# Allegro board STARRYSKY.brd (continued)
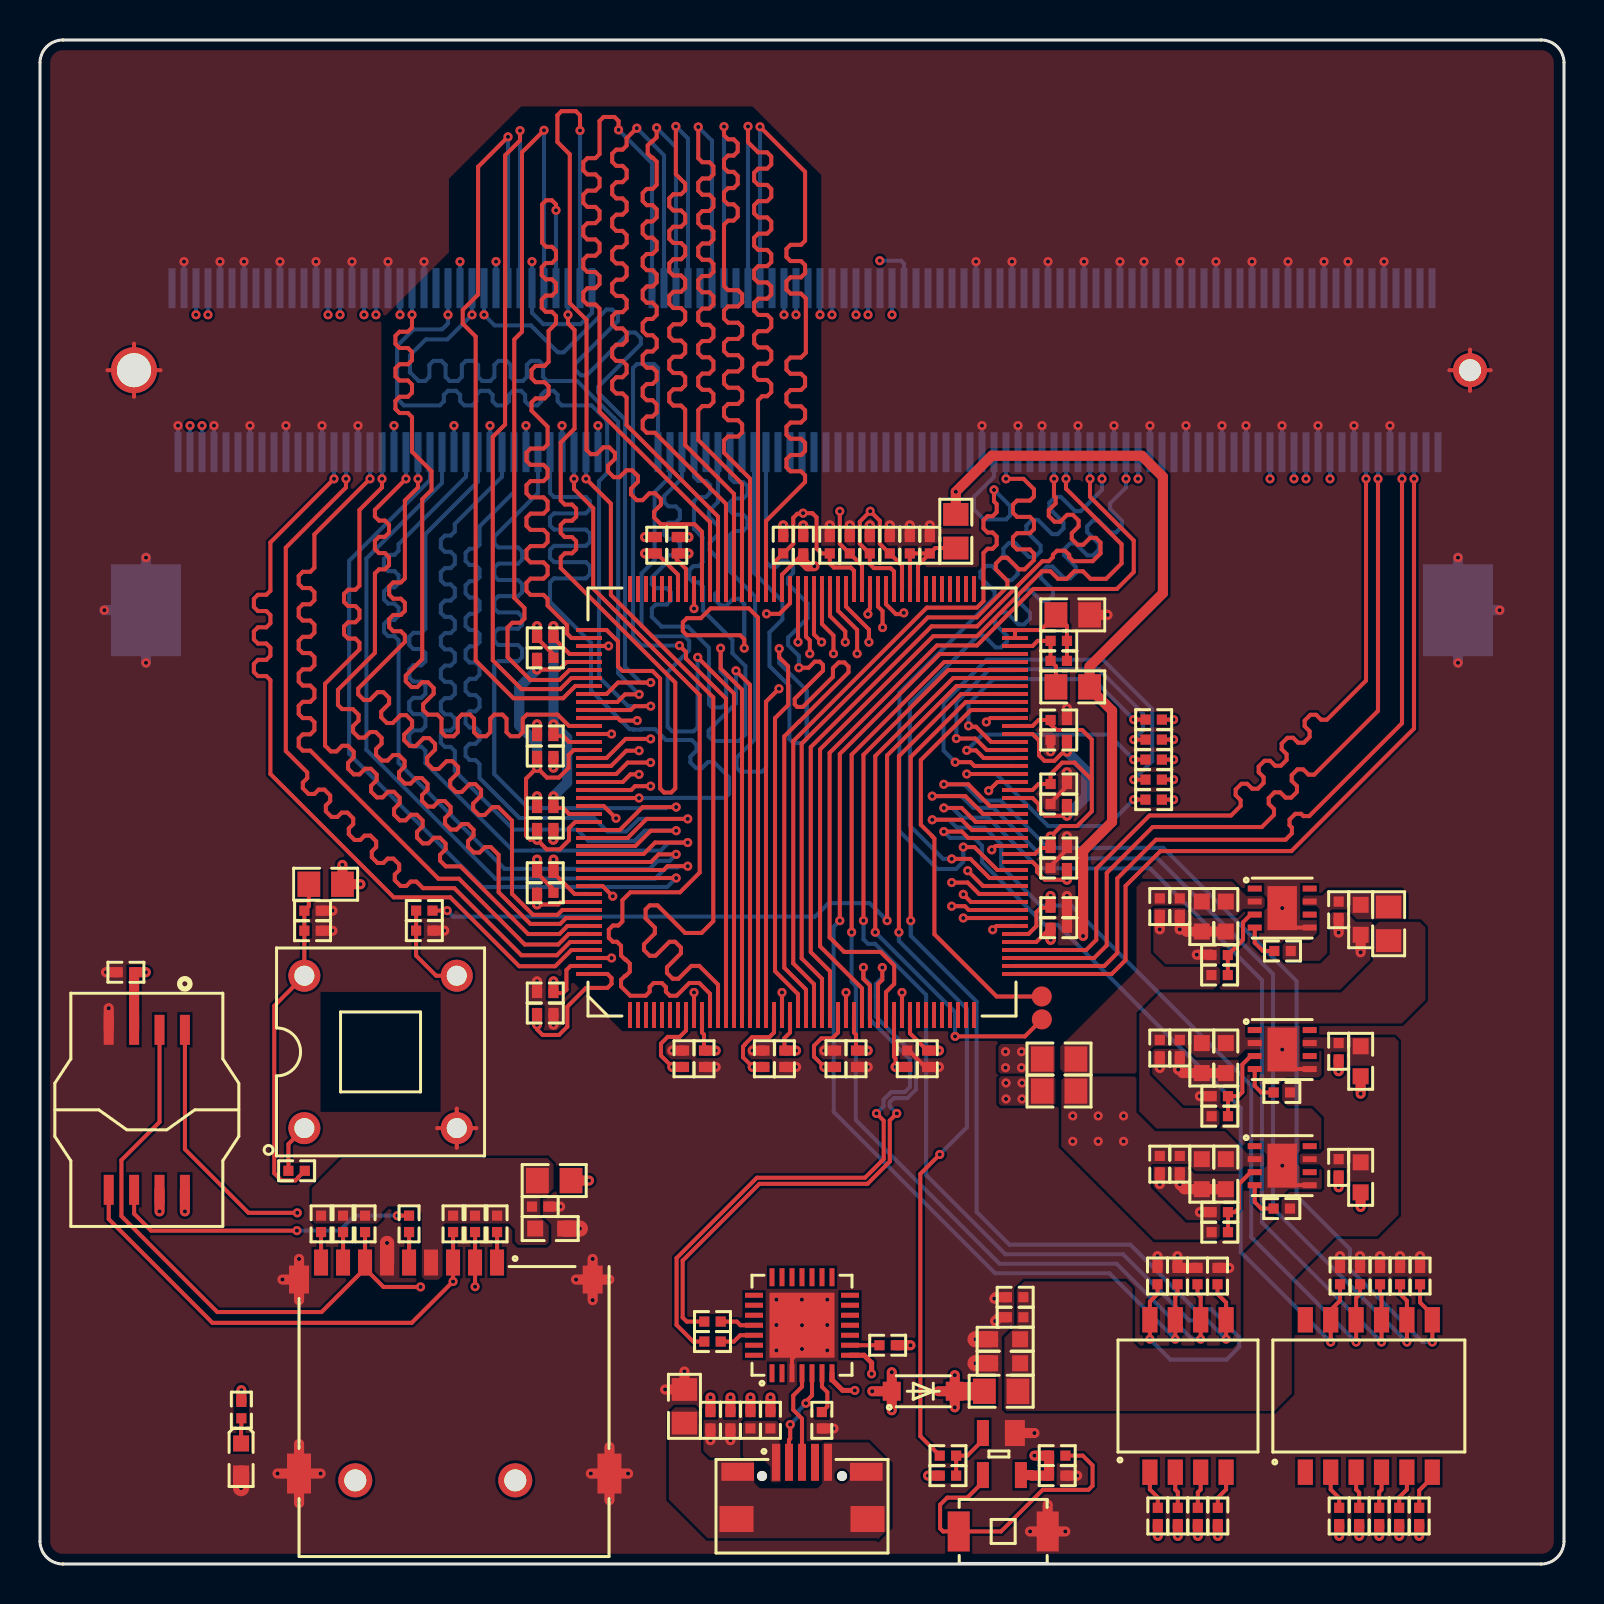
[diagram p0: board, top side]
## Nets (continued)
CHIPLINK_RX_DATA25: J1.65 U3.134(CHIPLINK_RX_DATA25)
CHIPLINK_RX_DATA26: J1.63 U3.138(CHIPLINK_RX_DATA26)
CHIPLINK_RX_DATA27: J1.59 U3.139(CHIPLINK_RX_DATA27)
CHIPLINK_RX_DATA28: J1.57 U3.140(CHIPLINK_RX_DATA28)
CHIPLINK_RX_DATA29: J1.53 U3.141(CHIPLINK_RX_DATA29)
CHIPLINK_RX_DATA30: J1.51 U3.142(CHIPLINK_RX_DATA30)
CHIPLINK_RX_DATA31: J1.47 U3.143(CHIPLINK_RX_DATA31)
CHIPLINK_RX_RST: J1.152 U3.57(CHIPLINK_RX_RST)
CHIPLINK_RX_SEND: J1.154 U3.56(CHIPLINK_RX_SEND)
CHIPLINK_TX_CLK: J1.115 U3.144(CHIPLINK_TX_CLK)
CHIPLINK_TX_DATA00: J1.35 U3.150(CHIPLINK_TX_DATA00)
CHIPLINK_TX_DATA01: J1.33 U3.151(CHIPLINK_TX_DATA01)
CHIPLINK_TX_DATA02: J1.29 U3.152(CHIPLINK_TX_DATA02)
CHIPLINK_TX_DATA03: J1.27 U3.153(CHIPLINK_TX_DATA03)
CHIPLINK_TX_DATA04: J1.64 U3.154(CHIPLINK_TX_DATA04)
CHIPLINK_TX_DATA05: J1.62 U3.158(CHIPLINK_TX_DATA05)
CHIPLINK_TX_DATA06: J1.58 U3.159(CHIPLINK_TX_DATA06)
CHIPLINK_TX_DATA07: J1.56 U3.160(CHIPLINK_TX_DATA07)
CHIPLINK_TX_DATA08: J1.52 U3.161(CHIPLINK_TX_DATA08)
CHIPLINK_TX_DATA09: J1.50 U3.162(CHIPLINK_TX_DATA09)
CHIPLINK_TX_DATA10: J1.46 U3.163(CHIPLINK_TX_DATA10)
CHIPLINK_TX_DATA11: J1.44 U3.164(CHIPLINK_TX_DATA11)
CHIPLINK_TX_DATA12: J1.42 U3.168(CHIPLINK_TX_DATA12)
CHIPLINK_TX_DATA13: J1.40 U3.169(CHIPLINK_TX_DATA13)
CHIPLINK_TX_DATA14: J1.36 U3.170(CHIPLINK_TX_DATA14)
CHIPLINK_TX_DATA15: J1.34 U3.171(CHIPLINK_TX_DATA15)
CHIPLINK_TX_DATA16: J1.30 U3.172(CHIPLINK_TX_DATA16)
CHIPLINK_TX_DATA17: J1.28 U3.173(CHIPLINK_TX_DATA17)
CHIPLINK_TX_DATA18: J1.68 U3.11(CHIPLINK_TX_DATA18)
CHIPLINK_TX_DATA19: J1.70 U3.12(CHIPLINK_TX_DATA19)
CHIPLINK_TX_DATA20: J1.74 U3.13(CHIPLINK_TX_DATA20)
CHIPLINK_TX_DATA21: J1.76 U3.14(CHIPLINK_TX_DATA21)
CHIPLINK_TX_DATA22: J1.78 U3.15(CHIPLINK_TX_DATA22)
CHIPLINK_TX_DATA23: J1.80 U3.16(CHIPLINK_TX_DATA23)
CHIPLINK_TX_DATA24: J1.84 U3.17(CHIPLINK_TX_DATA24)
CHIPLINK_TX_DATA25: J1.86 U3.18(CHIPLINK_TX_DATA25)
CHIPLINK_TX_DATA26: J1.90 U3.22(CHIPLINK_TX_DATA26)
CHIPLINK_TX_DATA27: J1.92 U3.23(CHIPLINK_TX_DATA27)
CHIPLINK_TX_DATA28: J1.130 U3.24(CHIPLINK_TX_DATA28)
CHIPLINK_TX_DATA29: J1.132 U3.25(CHIPLINK_TX_DATA29)
CHIPLINK_TX_DATA30: J1.140 U3.26(CHIPLINK_TX_DATA30)
CHIPLINK_TX_DATA31: J1.142 U3.30(CHIPLINK_TX_DATA31)
CHIPLINK_TX_RST: J1.41 U3.145(CHIPLINK_TX_RST)
CHIPLINK_TX_SEND: J1.39 U3.149(CHIPLINK_TX_SEND)
CLK_SEL: R30.1 SW2.8(B1) U3.79(CLK_SEL)
CORE_DIP0: R49.1 SW3.7(B6) U3.66(CORE_DIP0)
CORE_DIP1: R47.1 SW3.8(B5) U3.65(CORE_DIP1)
CORE_DIP2: R44.1 SW3.9(B4) U3.64(CORE_DIP2)
CORE_DIP3: R42.1 SW3.10(B3) U3.63(CORE_DIP3)
CORE_DIP4: R40.1 SW3.11(B2) U3.62(CORE_DIP4)
OSC_IN: R3.2 U3.81(CLK/XIN)
PLL_AVDD33: C61.1 C62.1 L5.1 U3.96(PLL_AVDD33#96) U3.97(PLL_AVDD33#97)
PLL_CFG0: R28.1 SW2.5(B4) U3.83(PLL_CFG_0)
PLL_CFG1: R32.1 SW2.6(B3) U3.84(PLL_CFG_1)
PLL_CFG2: R24.1 SW2.7(B2) U3.85(PLL_CFG_2)
PLLIO_AVDD33: C63.1 C64.1 L7.1 U3.86(PLL_IO_AVDD33)
SPI_CLK: R18.2 R34.1 U7.6(CLK)
SPI_CS0: R17.2 U7.1(CS#)
SPI_CS1: J4.2(CD/DAT3) R16.2 R27.2
SPI_MISO: J4.7(DAT0) R14.2 R37.2 U7.2(DO)
SPI_MOSI: J4.3(CMD) R15.2 R29.2 U7.5(DIO)
SYS_RST: R19.1 U3.80(RST)
UART_RX: R36.2 U3.31(UART_RX)
UART_TX: R35.2 U3.32(UART_TX)
USB_D+: J3.3(D+) U6.4(D+)
USB_D-: J3.2(D-) U6.5(D-)
N00208: R4.2 U1.4(EN)
N00440: R1.2 R5.1 U1.3(ADJ)
N02977: R7.2 U2.4(EN)
N03085: R8.2 R9.1 U2.3(ADJ)
N03792: C17.1 C21.1 L4.2 R11.1 U4.7(VIN)
N03804: R11.2 U4.4(EN)
N03912: R10.2 R12.1 U4.3(ADJ)
N09341: R13.2 R19.2 U5.2(R\E\S\E\T\)
N12849: R20.2 SW1.1(P1) U5.3(M\R\)
N14111: LED1.1 R2.1
N20091: R14.1 U3.70(SPI_MISO)
N20140: R15.1 U3.71(SPI_MOSI)
N20190: R16.1 U3.72(SPI_CS_1)
N20241: R17.1 U3.73(SPI_CS_0)
N20293: R18.1 U3.74(SPI_CLK)
N20346: TP1.1 U3.78(CLK4DIV_OUT)
N20568: TP2.1 U3.82(CLK/XOUT)
N47247: C8.1 C9.1 J2.8(VDD) L1.1 R6.2
N86942: J4.1(DAT2) R25.2
N86952: C68.1 C70.1 J4.4(VDD) L8.1 R25.1 R27.1 R29.1 R37.1 R41.1 R45.1
N87161: J4.8(DAT1) R41.2
N87165: J4.9(CD) R45.2
N88472: J4.5(CLK) R34.2
N101095: J3.5(GND) J3.6(LP1) J3.7(LP2) J3.8(LP3) J3.9(LP4) L9.2
N105628: R35.1 U6.25(RXD)
N109895: R46.2 SW3.5(A5)
N109899: R48.2 SW3.6(A6)
N122427: R36.1 U6.26(TXD)
N129276: C69.1 U6.6(VDD)
N130573: R50.2 U6.9(R\S\T\)
N266605: C7.1 J2.5(OUT) R3.1
N270643: J2.1(ED) R6.1
N341766: J3.1(VCC) R21.1 R22.1
N1063390: R23.2 SW2.1(A1)
N1063391: R31.2 SW2.2(A2)
N1063394: R26.2 SW2.3(A3)
N1063395: R33.2 SW2.4(A4)
N1064041: R38.2 SW3.2(A2)
N1064044: R39.2 SW3.3(A3)
N1064045: R43.2 SW3.4(A4)

Pads without a net: J1 1 10 11 12 15 16 17 18 21 22 23 24 45 81 82 87 88 93 94 96 98 99 100 102 104 105 106 108 110 111 112 114 116 117 118 119 120 121 122 123 124 125 126 129 131 135 136 137 141 143 147 149 153 157 158 159 160 163 164 165 166 169 170 171 174 175 177 181 183 187 188 191 193 197 199 201 202 203 204; J3 4 10 11; J4 14 15; SW3 1 12; U1 1 6 8; U2 1 6 8; U3 1 2 3 4 5 6 7 37 38 39 40 41 42 43 44 89 90 91 92 93 94 95 127 128 129 130 131 132; U4 1 6 8; U6 1 2 10 11 12 13 14 15 16 17 18 19 20 21 22 23 24 27 28

## Via types
v1: diameter 0.457, hole 0.203, TOP to BOTTOM, 403 vias

## Routing (per net, layer and track width the routed paths; a pad name or vN(x,y) marks a point on that pad's centre or on a via; arc(x,y) is an arc through that point)
5V_VBUS1: length 10
  TOP w0.254: v1(41.58,9.51) 41.58,10.06 41.2,10.44 U6.8 ; U6.7 39.6,9.21 40.13,8.68 v1(40.74,8.68)
  TOP w0.508: D1.1 v1(41.61,8.64) ; D1.1 v1(42.59,9.59) ; D1.1 v1(42.59,7.69) ; R50.1 v1(43.53,10.94) ; C66.1 v1(34.52,8.33) ; R21.2 v1(36.52,8.33) ; R22.2 v1(35.52,8.33) ; C65.1 v1(33.52,8.33)
5V_VBUS2: length 9.2
  TOP w0.508: D1.2 v1(45.74,7.83) ; D1.2 v1(45.74,9.44) ; D1.2 v1(44.93,8.64)
  TOP w0.914: F1.1 D1.2
  BOTTOM w0.203: J1.5 v1(7.8,62.46) ; J1.7 v1(8.4,62.46) ; J1.6 v1(8.1,56.92) ; J1.4 v1(7.5,56.92)
GND: length 234.8
  TOP w0.203: v1(47.63,31.71) 47.82,31.9 U3.51 ; v1(43.19,47.56) 43.13,47.5 42.79,47.5 42.3,47.99 U3.100 ; U3.35 v1(43.1,28.58) ; v1(28.8,37.29) 28.19,37.9 U3.155 ; J2.4 20.84,22.77 ; J2.4 21.82,21.79 ; J2.4 20.84,20.82 ; J2.4 19.86,21.79 ; v1(62.11,19.92) 62.11,19.34 62.51,18.94 U1.5 ; v1(38.1,10.75) 37.6,10.25 U6.3 ; U4.5 62.57,31.82 62.11,32.28 v1(62.11,32.8) ; v1(47.59,35.71) 47.78,35.9 U3.61 ; 3.37,59.69 J1.MP3 ; J1.MP3 4.7,61.02 ; J1.MP3 6.03,59.69 ; J1.MP3 4.7,58.36 ; U3.69 47.87,39.1 v1(47.43,38.66) ; U3.101 41.9,47.87 42.13,47.64 v1(42.13,46.82) ; C49.2 51.35,38.89 50.53,38.07 C36.2 ; U3.28 v1(40.3,28.58) ; U3.135 v1(28.43,45.9) ; U2.5 62.62,24.75 62.11,25.25 v1(62.11,25.72) ; C48.2 51.35,35.73 50.53,34.91 C37.2 ; C38.2 24.87,34.55 24.87,34.54 25.59,33.81 25.59,33.65 C28.2 ; C42.2 24.85,46.29 25.67,45.47 C27.2 ; C29.2 43.44,25.67 44.26,24.85 C46.2 ; 71.5,58.66 J1.MP4 ; J1.MP4 70.47,59.69 ; J1.MP4 71.5,60.72 ; J1.MP4 72.53,59.69 ; v1(41.4,47.49) 41.4,47.67 41.5,47.77 U3.102 ; v1(47.31,42.1) 47.52,42.3 U3.77 ; v1(28.64,33.39) 28.13,33.9 U3.165 ; v1(36.33,47.51) 36.97,47.51 37.5,48.04 U3.112 ; v1(32.7,47.77) U3.124 ; U3.20 v1(37.1,28.58) ; U3.146 v1(28.58,41.5) ; U3.174 v1(28.58,30.3) ; U3.9 v1(32.7,28.58)
  TOP w0.381: C54.2 v1(50.53,40.61)
  TOP w0.508: R5.2 v1(57.99,17.59) ; C5.2 v1(64.93,18.84) ; C69.2 v1(39.68,6.78) ; SW1.2 v1(50.38,2.96) ; SW1.2 v1(51.26,1.63) ; SW1.2 v1(49.5,1.63) ; R44.2 v1(67,15.39) ; U5.1 v1(49.72,6.55) ; C24.2 47.96,12.34 47.77,12.15 v1(47.76,12.15) ; C2.2 v1(55.99,19) ; v1(56.88,15.39) R24.2 R32.2 ; U7.4 v1(3.44,27.79) ; v1(32.22,9.63) L9.1 v1(31.26,8.73) ; R30.2 v1(55.88,15.39) ; v1(24.85,29.13) C60.2 ; v1(12.95,3.05) J4.12 ; J4.12 v1(12.95,6) ; J4.12 v1(11.88,4.52) ; J4.12 v1(14.03,4.52) ; J4.11 v1(27.63,13.19) ; J4.11 v1(26.8,14.22) ; J4.11 v1(28.46,14.22) ; J4.11 v1(27.63,15.25) ; C23.2 47.79,13.34 v1(47.72,13.27) ; C56.2 v1(40.49,51.93) ; C34.2 v1(31.61,25.67) ; v1(37.16,51.93) C53.2 ; C66.2 v1(34.52,6.19) ; C10.2 64.93,24.65 v1(64.93,24.64) ; R42.2 v1(66,15.39) ; J4.13 v1(28.47,3.19) ; J4.13 v1(28.47,5.85) ; J4.13 v1(29.4,4.52) ; J4.13 v1(27.54,4.52) ; C39.2 v1(24.85,38.39) ; C12.2 56.99,24.81 v1(56.91,24.73) 56.95,24.73 57.13,24.55 C13.2 C14.2 ; C38.2 v1(24.85,35.22) ; C55.2 v1(38.16,51.93) ; C11.2 v1(55.99,24.8) ; C58.2 v1(42.49,51.93) ; C31.2 v1(35.63,25.67) ; R12.2 58.55,30.47 v1(57.84,30.47) ; v1(24.85,46.89) C42.2 ; C6.2 v1(66.03,17.85) ; C16.2 v1(55.99,31.73) ; C50.2 v1(51.86,4.42) ; C20.2 C19.2 57.33,31.62 57.22,31.73 v1(56.99,31.73) C18.2 ; C61.2 v1(44.49,51.93) ; R9.2 v1(57.99,23.39) ; C65.2 v1(33.52,6.19) ; C45.2 v1(41.39,24.85) ; C41.2 v1(51.35,42.79) ; C30.2 v1(25.67,39.81) ; R40.2 v1(65,15.39) ; v1(44.95,24.85) C46.2 ; v1(33.79,24.85) C43.2 ; C33.2 v1(25.67,26.96) ; C21.2 v1(64.93,31.57) ; C15.2 v1(66.03,23.51) ; R49.2 v1(69,15.39) ; C44.2 v1(37.8,24.85) ; C49.2 v1(51.35,39.59) ; C59.2 v1(32.42,51.35) ; C48.2 v1(51.35,36.39) ; C1.2 v1(56.99,19) 56.99,18.97 57.21,18.74 C3.2 C4.2 ; v1(25.66,36.21) 25.67,36.23 C26.2 ; C35.2 C47.2 v1(51.35,33.4) ; J4.10 v1(12.12,14.22) ; J4.10 v1(12.95,15.25) ; J4.10 v1(12.95,13.19) ; C67.2 v1(3.3,29.59) ; v1(24.85,41.99) C40.2 ; R47.2 v1(68,15.39) ; C8.2 v1(14.62,31.66) ; C52.2 v1(39.49,51.93) ; C62.2 v1(43.49,51.93) ; C17.2 v1(66.03,30.58) ; C7.2 v1(20.21,31.67) ; L6.2 v1(53.38,47.46) ; R28.2 v1(59.46,14.81) ; v1(30.25,51.35) C51.2 ; C32.2 v1(39.21,25.67) ; C57.2 v1(41.49,51.93) ; C68.2 v1(26.01,17.87) ; C9.2 v1(14.62,32.66)
  TOP w0.711: J4.6 v1(17.35,16.05)
  TOP w0.813: C70.2 v1(26.99,16.77) ; C22.2 v1(46.78,10.04) ; LED1.2 v1(10.05,3.8) ; C25.2 v1(46.78,11.24)
  GND02 w0.203: 4.7,58.36 J1.MP3 ; J1.MP3 3.37,59.69 ; J1.MP3 6.03,59.69 ; J1.MP3 4.7,61.02 ; J2.4 21.82,21.79 ; J2.4 20.84,22.77 ; J2.4 19.86,21.79 ; J2.4 20.84,20.82 ; 70.47,59.69 J1.MP4 ; J1.MP4 71.5,60.72 ; J1.MP4 72.53,59.69 ; J1.MP4 71.5,58.66
  BOTTOM w0.203: J1.25 v1(13.8,65.12) ; J1.43 v1(19.2,65.12) ; v1(24.6,65.12) J1.61 24.6,62.56 25.17,61.99 27.03,61.99 27.6,62.56 J1.71 ; J1.19 v1(12,65.12) ; J1.185 v1(64.2,65.12) ; J1.37 v1(17.4,65.12) ; J1.144 v1(51.9,56.92) ; J1.127 v1(46.8,65.12) ; 19.86,21.79 J2.4 ; J2.4 21.82,21.79 ; J2.4 20.84,22.77 ; J1.145 v1(52.2,65.12) ; J1.156 v1(55.5,56.92) ; J1.72 v1(27.9,56.92) ; J1.178 v1(62.1,56.92) ; 71.5,58.66 J1.MP4 ; J1.MP4 72.53,59.69 ; J1.MP4 71.5,60.72 ; J1.MP4 70.47,59.69 ; J1.190 v1(65.7,56.92) ; v1(20.7,56.92) J1.48 ; v1(22.5,56.92) J1.54 ; J1.14 v1(10.5,56.92) ; J1.31 v1(15.6,65.12) ; J1.151 v1(54,65.12) ; J1.13 v1(10.2,65.12) ; J1.49 v1(21,65.12) ; J1.60 v1(24.3,56.92) ; J1.195 v1(67.2,65.12) ; J1.184 v1(63.9,56.92) ; J1.2 v1(6.9,56.92) ; J1.9 v1(9,65.12) ; v1(17.7,56.92) J1.38 ; J1.161 v1(57,65.12) ; J1.168 v1(59.1,56.92) ; v1(14.1,56.92) J1.26 ; J1.139 v1(50.4,65.12) ; v1(15.9,56.92) J1.32 ; J1.173 v1(60.6,65.12) ; J1.138 v1(50.1,56.92) ; J1.155 v1(55.2,65.12) ; J1.3 v1(7.2,65.12) ; J1.55 v1(22.8,65.12) ; J1.162 v1(57.3,56.92) ; J1.172 v1(60.3,56.92) ; J1.150 v1(53.7,56.92) ; J1.167 v1(58.8,65.12) ; J1.189 v1(65.4,65.12) ; J1.128 v1(47.1,56.92) ; J1.134 v1(48.9,56.92) ; J1.66 v1(26.1,56.92) ; J1.133 v1(48.6,65.12) ; J1.8 v1(8.7,56.92) ; J1.196 v1(67.5,56.92) ; v1(12.3,56.92) J1.20 ; J1.179 v1(62.4,65.12)
  BOTTOM w0.508: J1.MP1 v1(5.3,50.32) ; J1.MP1 v1(3.22,47.69) ; J1.MP1 v1(5.3,45.06) ; J1.MP2 v1(70.9,50.32) ; J1.MP2 v1(72.98,47.69) ; J1.MP2 v1(70.9,45.06)
  vias: v1(36.82,13.22) v1(36.82,11.95) v1(36.82,10.68) v1(38.09,13.22) v1(38.1,11.94) v1(39.36,13.22) v1(39.36,11.95) v1(39.36,10.68)
GND_SIGNAL: length 5.3
  TOP w0.203: C64.2 C63.2 51.35,46.91 L6.1 50.04,46.7 U3.88 U3.87
VCC_3V3: length 65.4
  TOP w0.508: v1(49.72,5.42) R20.1 C50.1 49.6,4.42 49.57,4.45 U5.4 ; U7.8 v1(7.25,17.63) ; R33.1 v1(58.89,1.41) ; U7.7 v1(5.98,17.63) ; U7.3 C67.1 v1(5.29,29.59) ; R23.1 v1(55.89,1.41) ; L8.2 v1(27.45,19.17) ; L5.2 v1(45.79,53.61) 47.59,55.41 55.09,55.41 56.14,54.36 56.14,48.54 52.48,44.87 L7.2 52.48,43.79 53.6,42.67 53.6,37.1 52.15,35.65 v1(52.15,31.4) ; v1(16.02,33.99) L1.2 v1(15.12,34.95) ; R13.1 v1(44.4,4.42) ; R46.1 v1(67.96,1.41) ; R38.1 v1(64.96,1.41) ; R31.1 v1(56.89,1.41) ; R26.1 v1(57.89,1.41) ; R43.1 v1(66.96,1.41) ; R2.2 v1(10.07,8.69) ; R48.1 v1(68.96,1.41) ; R39.1 v1(65.96,1.41)
  ART03 w0.508: v1(52.15,31.4) 52.15,22.92 v1(51.64,22.4)
  vias: v1(51.64,21.13) v1(52.91,22.4) v1(52.91,21.13) v1(54.18,22.4) v1(54.18,21.13)
VDD: length 74.7
  TOP w0.203: U3.147 26.46,41.1 26.16,41.4 C40.1 ; U3.21 37.5,26.57 37.22,26.29 C44.1 ; C55.1 37.1,49.47 U3.113 ; U3.98 43.1,49.92 C58.1 42.48,50.53 41.99,51.01 41.99,52.16 v1(41.51,52.64) 40.99,52.12 40.99,51.01 41.48,50.53 C57.1 41.49,50 41.69,49.8 42.53,49.8 42.7,49.63 U3.99 ; 52.59,39.27 52.59,37.64 51.85,36.9 51.06,36.9 v1(50.53,36.37) ; 52.59,39.27 52.59,41.22 52.11,41.7 50.81,41.7 50.53,41.99 C41.1 49.93,42.2 49.63,41.9 U3.76 ; 52.59,39.27 52.53,39.27 51.73,40.07 51.11,40.07 50.53,39.48 C49.1 49.93,39 49.63,38.7 U3.68 ; C45.1 40.8,26.47 40.7,26.57 U3.29 ; U3.50 49.42,31.5 49.82,31.9 49.82,32.59 50.04,32.82 C47.1 ; U3.103 41.1,49.92 C56.1 40.48,50.53 39.99,51.01 v1(39.99,52.64) ; U3.156 26.46,37.5 26.16,37.8 C39.1 ; C48.1 50.04,35.8 49.74,35.5 U3.60 ; C42.1 26.48,45.5 U3.136 ; C43.1 33.2,26.47 33.1,26.57 U3.10 ; C38.1 26.73,33.5 U3.166 ; U3.125 32.3,49.75 31.84,50.21 C59.1 ; C60.1 26.16,28.55 26.32,28.72 26.32,29.7 26.53,29.9 U3.175 ; C46.1 43.5,26.53 U3.36
  TOP w0.508: C55.1 38.16,50.12 38.39,49.89 v1(38.72,49.89) ; C46.1 v1(44.95,25.67) ; C60.1 v1(25.67,29.13) ; v1(32.42,50.53) C59.1 ; v1(50.53,36.37) C48.1 ; C43.1 v1(33.79,25.67) ; C45.1 v1(41.39,25.67) ; v1(25.67,38.39) C39.1 ; v1(37.8,25.67) C44.1 ; C40.1 v1(25.67,41.99) ; v1(25.67,35.22) C38.1 ; v1(25.67,46.89) C42.1 ; v1(50.53,33.4) C47.1
  BOTTOM w0.508: v1(25.67,46.89) v1(25.67,41.99) 26.36,41.3 26.36,39.07 v1(25.67,38.39)
  vias: v1(48.28,25.62) v1(48.28,24.82) v1(49.08,25.62) v1(49.08,24.82)
VDDIO: length 89.6
  TOP w0.203: U3.67 49.63,38.3 49.94,37.99 49.94,37.72 50.25,37.41 v1(51.35,37.41) ; v1(42.78,24.85) 42.78,25.28 42.7,25.36 U3.34 ; U3.167 26.04,33.1 25.92,32.98 v1(24.85,32.98) ; C35.1 49.81,31.1 U3.49 ; C51.1 31.9,49.47 U3.126 ; v1(31.61,24.85) 31.05,25.42 31.05,26.02 31.39,26.36 31.99,26.36 32.3,26.67 U3.8 ; v1(51.35,34.21) 50.24,34.21 49.85,34.6 49.85,34.88 49.63,35.1 U3.59 ; U3.27 39.9,26.57 39.61,26.28 39.07,26.28 38.7,25.91 38.7,25.37 v1(39.21,24.85) ; U3.148 26.69,40.7 26.43,40.45 26.43,39.81 25.95,39.32 25.35,39.32 v1(24.85,39.81) 24.3,39.26 24.3,36.42 24.51,36.21 v1(24.85,36.21) 25.33,35.73 25.99,35.73 26.45,36.19 26.45,36.79 26.76,37.1 U3.157 ; U3.137 26.33,45.1 25.96,44.72 v1(24.85,44.72) ; U3.75 49.63,41.5 49.95,41.18 49.95,40.43 50.22,40.16 50.72,40.16 51.17,40.61 v1(51.35,40.61) ; v1(35.63,24.85) 35.15,25.33 35.15,25.87 35.25,25.97 35.25,25.99 35.6,26.34 36.47,26.34 36.7,26.57 U3.19 ; U3.104 40.7,49.63 40.7,49.63 40.7,49.67 40.54,49.82 39.69,49.82 39.49,50.03 C52.1 39.08,50.53 38.83,50.78 38.83,52.33 38.64,52.52 38.64,52.52 38.61,52.54 v1(38.15,52.54) 38.12,52.51 37.87,52.51 37.66,52.31 37.66,51.01 37.18,50.53 C53.1 36.7,50.07 U3.114 ; v1(24.85,26.96) 24.85,26.73 25.13,26.45 25.84,26.45 25.95,26.45 26.37,26.87 26.37,27.87 27.3,28.81 28.37,28.81 28.58,29.01 28.58,29.3 28.37,29.5 U3.176
  TOP w0.508: v1(24.85,32.98) C28.1 ; v1(51.35,37.41) C36.1 ; C51.1 v1(30.25,50.53) ; C31.1 v1(35.63,24.85) ; C54.1 v1(51.35,40.61) ; C35.1 50.53,31.22 v1(50.54,31.21) ; C30.1 v1(24.85,39.81) ; C29.1 v1(42.78,24.85) ; C34.1 v1(31.61,24.85) ; v1(24.85,44.72) C27.1 ; v1(24.85,36.21) C26.1 ; C32.1 v1(39.21,24.85) ; C37.1 v1(51.35,34.21) ; C33.1 v1(24.85,26.96)
  ART03 w0.203: v1(30.25,50.53) 30.68,50.53 32.7,52.54 v1(38.15,52.54)
  BOTTOM w0.508: v1(24.85,44.72) 23.96,43.83 23.96,41.92 24.85,41.03 v1(24.85,39.81) ; v1(51.35,40.61) 52.3,39.66 52.3,38.37 v1(51.35,37.41)
  vias: v1(48.3,24.05) v1(48.3,23.25) v1(49.1,24.05) v1(49.1,23.25)
CHIPLINK_INT: length 41.5
  TOP w0.203: U3.33 42.3,28.6 42.71,29 42.71,29.93 42.03,30.6 40.21,30.6 39.48,31.33 39.48,40.56 44.85,45.93 46.85,45.93 49.67,48.75 53.84,48.75 54.69,49.6 54.69,51.17 52.5,53.36 v1(52.5,54.26)
  BOTTOM w0.203: J1.146 v1(52.5,54.26)
CHIPLINK_RX_CLK: length 40.4
  TOP w0.203: v1(46.16,35.85) 46.72,35.85 47.87,34.7 U3.58
  BOTTOM w0.203: v1(46.16,35.85) 46.16,35.11 45.8,34.75 44.86,34.75 42.97,36.65 42.97,43.57 47.73,48.33 47.73,48.62 47.02,49.33 47.02,49.62 47.31,49.91 47.59,49.91 48.3,49.2 48.59,49.2 48.88,49.49 48.88,49.77 48.17,50.48 48.17,50.77 48.46,51.06 48.74,51.06 49.45,50.35 49.74,50.35 50.03,50.63 50.03,50.92 49.32,51.63 49.32,51.92 49.61,52.21 49.89,52.21 50.6,51.5 50.89,51.5 51.18,51.78 51.18,52.07 50.47,52.78 50.47,53.07 50.76,53.35 51.04,53.35 51.75,52.65 52.04,52.65 53.1,53.71 v1(53.1,54.26) J1.148
CHIPLINK_RX_DATA00: length 41.5
  TOP w0.203: v1(45.58,34.07) 46.38,34.07 46.96,33.5 U3.55
  ART03 w0.203: v1(61.5,54.26) 58.18,54.26 53.6,49.68 53.6,49.4 53.9,49.1 53.9,48.81 53.61,48.52 53.33,48.52 53.03,48.82 52.74,48.82 51.73,47.81 51.73,47.52 52.12,47.13 52.12,46.84 51.84,46.55 51.55,46.55 51.16,46.95 50.87,46.95 50.58,46.66 50.58,46.37 50.98,45.98 50.98,45.69 50.69,45.4 50.4,45.4 50.01,45.8 49.72,45.8 49.43,45.51 49.43,45.22 49.83,44.83 49.83,44.54 49.54,44.26 49.25,44.26 48.86,44.65 48.57,44.65 48.28,44.36 48.28,44.07 48.68,43.68 48.68,43.39 48.39,43.11 48.1,43.11 47.71,43.5 47.56,43.5 47.42,43.36 47.42,42.64 47.82,42.24 47.82,41.89 47.57,41.64 47.13,41.64 46.88,41.4 46.88,34.36 46.6,34.07 v1(45.58,34.07)
  BOTTOM w0.203: J1.176 v1(61.5,54.26)
CHIPLINK_RX_DATA01: length 41.1
  TOP w0.203: v1(46.16,33.48) 46.55,33.1 U3.54
  ART03 w0.203: v1(62.7,54.26) 62.23,53.79 60.85,53.79 60.42,53.36 60.14,53.36 59.87,53.63 59.58,53.63 59.3,53.34 59.3,53.05 59.56,52.79 59.56,52.5 59.27,52.21 58.99,52.21 58.72,52.48 58.43,52.48 58.15,52.19 58.15,51.9 58.41,51.64 58.41,51.35 58.12,51.06 57.84,51.06 57.57,51.33 57.28,51.33 57,51.04 57,50.75 57.26,50.49 57.26,50.2 56.97,49.91 56.69,49.91 56.42,50.18 56.13,50.18 55.85,49.89 55.85,49.6 56.11,49.34 56.11,49.05 55.83,48.76 55.54,48.76 55.27,49.03 54.98,49.03 54.7,48.74 54.7,48.45 54.96,48.19 54.96,47.9 53.23,46.16 53.23,45.88 53.33,45.77 53.33,45.48 53.04,45.19 52.76,45.19 52.65,45.3 52.36,45.3 52.08,45.01 52.08,44.73 52.18,44.62 52.18,44.33 51.89,44.04 51.61,44.04 51.5,44.15 51.21,44.15 50.47,43.41 50.47,43.12 50.63,42.96 50.63,42.68 50.34,42.39 50.05,42.39 49.89,42.54 49.61,42.54 49.32,42.26 49.32,41.97 49.48,41.81 49.48,41.53 49.19,41.24 48.9,41.24 48.75,41.39 48.46,41.39 48.22,41.16 48.22,35.02 46.68,33.48 v1(46.16,33.48)
  BOTTOM w0.203: J1.180 v1(62.7,54.26)
CHIPLINK_RX_DATA02: length 41
  TOP w0.203: U3.53 46.44,32.7 46.25,32.89 v1(45.58,32.89)
  ART03 w0.203: v1(63.3,54.26) 63.3,54 62.35,53.05 62.35,52.76 62.48,52.63 62.48,52.35 62.19,52.06 61.9,52.06 61.78,52.19 61.49,52.19 61.2,51.9 61.2,51.61 61.33,51.48 61.33,51.2 61.04,50.91 60.76,50.91 60.63,51.04 60.34,51.04 60.05,50.75 60.05,50.46 60.18,50.33 60.18,50.05 59.89,49.76 59.61,49.76 59.48,49.89 59.19,49.89 58.9,49.6 58.9,49.31 59.03,49.18 59.03,48.9 58.74,48.61 58.46,48.61 58.33,48.74 58.04,48.74 57.75,48.45 57.75,48.16 57.88,48.03 57.88,47.75 57.59,47.46 57.31,47.46 57.18,47.59 56.89,47.59 56.6,47.3 56.6,47.01 56.73,46.88 56.73,46.6 56.44,46.31 56.16,46.31 56.03,46.44 55.74,46.44 55.45,46.15 55.45,45.86 55.58,45.74 55.58,45.45 55.29,45.16 55.01,45.16 54.88,45.29 54.59,45.29 54.3,45 54.3,44.71 54.43,44.59 54.43,44.3 54.15,44.01 53.86,44.01 53.73,44.14 53.44,44.14 53.15,43.85 53.15,43.56 53.28,43.44 53.28,43.15 53,42.86 52.71,42.86 52.58,42.99 52.29,42.99 52,42.7 52,42.41 52.13,42.29 52.13,42 51.85,41.71 51.56,41.71 51.43,41.84 51.04,41.84 48.99,39.78 48.99,35.11 46.76,32.89 v1(45.58,32.89)
  BOTTOM w0.203: J1.182 v1(63.3,54.26)
CHIPLINK_RX_DATA03: length 41.3
  TOP w0.203: U3.52 v1(46.16,32.3)
  ART03 w0.203: v1(46.16,32.3) 46.88,32.3 49.53,34.95 49.53,37.08 52.09,39.64 52.09,40.73 55.38,44.02 55.67,44.02 55.93,43.76 56.21,43.76 56.5,44.05 56.5,44.34 56.24,44.59 56.24,44.88 56.53,45.17 56.82,45.17 57.08,44.91 57.36,44.91 57.65,45.2 57.65,45.49 57.39,45.74 57.39,46.03 57.68,46.32 57.97,46.32 58.23,46.06 58.51,46.06 58.8,46.35 58.8,46.64 58.54,46.89 58.54,47.18 58.83,47.47 59.12,47.47 59.38,47.21 59.66,47.21 59.95,47.5 59.95,47.79 59.69,48.04 59.69,48.33 59.98,48.62 60.27,48.62 60.52,48.36 60.81,48.36 61.1,48.65 61.1,48.94 60.84,49.19 60.84,49.48 61.13,49.77 61.42,49.77 61.67,49.51 61.96,49.51 62.25,49.8 62.25,50.09 61.99,50.34 61.99,50.63 62.28,50.92 62.57,50.92 62.82,50.66 63.11,50.66 63.4,50.95 63.4,51.24 63.14,51.49 63.14,51.78 64.5,53.14 v1(64.5,54.26)
  BOTTOM w0.203: J1.186 v1(64.5,54.26)
CHIPLINK_RX_DATA04: length 40.8
  TOP w0.203: U3.48 52.31,30.7 52.81,31.21 52.81,34.77 55.47,37.42 59.55,37.42 60.03,37.9 60.03,38.19 59.78,38.44 59.78,38.72 60.07,39.01 60.36,39.01 60.61,38.77 60.89,38.77 61.18,39.05 61.18,39.34 60.93,39.59 60.93,39.87 61.22,40.16 61.51,40.16 61.75,39.92 62.04,39.92 62.33,40.2 62.33,40.49 62.08,40.74 62.08,41.02 62.37,41.31 62.66,41.31 62.9,41.06 63.19,41.06 63.48,41.35 63.48,41.64 63.23,41.89 63.23,42.17 63.52,42.46 63.81,42.46 64.05,42.21 64.34,42.21 66.3,44.17 v1(66.3,54.26)
  BOTTOM w0.203: J1.192 v1(66.3,54.26)
CHIPLINK_RX_DATA05: length 40.5
  TOP w0.203: v1(66.9,54.26) 66.9,42.66 63.71,39.47 63.42,39.47 63.16,39.73 62.87,39.73 62.59,39.44 62.59,39.16 62.85,38.89 62.85,38.61 62.56,38.32 62.27,38.32 62.01,38.58 61.72,38.58 61.44,38.3 61.44,38.01 61.7,37.74 61.7,37.46 61.09,36.85 55.63,36.85 53.34,34.55 53.34,30.93 52.7,30.3 U3.47
  BOTTOM w0.203: J1.194 v1(66.9,54.26)
CHIPLINK_RX_DATA06: length 40.8
  TOP w0.203: v1(68.1,54.26) 68.1,42.04 63.46,37.39 63.17,37.39 63.05,37.51 62.77,37.51 62.48,37.22 62.48,36.94 62.59,36.82 62.59,36.53 62.28,36.22 55.8,36.22 53.86,34.28 53.86,30.55 53.22,29.9 U3.46
  BOTTOM w0.203: J1.198 v1(68.1,54.26)
CHIPLINK_RX_DATA07: length 41
  TOP w0.203: v1(68.7,54.26) 68.7,41.77 62.58,35.65 56.02,35.65 54.28,33.9 54.28,30.19 53.58,29.5 U3.45
  BOTTOM w0.203: J1.200 v1(68.7,54.26)
CHIPLINK_RX_DATA08: length 41.5
  TOP w0.203: U3.123 33.1,51.61 32.72,51.99 31.04,51.99 30.7,52.33 30.7,52.62 31.05,52.96 31.05,53.25 30.76,53.54 30.47,53.54 30.13,53.19 29.84,53.19 29.55,53.48 29.55,53.77 29.9,54.11 29.9,54.4 29.61,54.69 29.32,54.69 28.98,54.34 28.69,54.34 28.4,54.63 28.4,54.92 28.75,55.26 28.75,55.55 28.46,55.84 28.17,55.84 27.83,55.49 27.54,55.49 27.33,55.7 27.33,62.21 26.49,63.04 26.49,70.48 25.87,71.1 25.87,72.44 26.07,72.64 26.8,72.64 27,72.44 v1(27,71.67)
  BOTTOM w0.203: J1.69 v1(27,71.67)
CHIPLINK_RX_DATA09: length 41.6
  TOP w0.203: U3.122 33.5,52.09 27.98,57.62 27.98,62.77 27.77,62.98 27.37,62.98 27.16,63.18 27.16,63.59 27.37,63.79 27.77,63.79 27.98,63.99 27.98,64.4 27.77,64.6 27.37,64.6 27.16,64.81 27.16,65.21 27.37,65.42 27.77,65.42 27.98,65.62 27.98,66.03 27.77,66.23 27.37,66.23 27.16,66.43 27.16,66.84 27.37,67.04 27.77,67.04 27.98,67.24 27.98,67.65 27.77,67.85 27.37,67.85 27.16,68.06 27.16,68.46 27.37,68.67 27.77,68.67 27.98,68.87 27.98,69.28 27.77,69.48 27.37,69.48 27.16,69.68 27.16,70.09 27.37,70.29 27.77,70.29 27.98,70.5 27.98,72.15 28.18,72.35 28.72,72.35 28.93,72.15 v1(28.93,71.71)
  BOTTOM w0.203: J1.73 30.6,70.03 v1(28.93,71.71)
CHIPLINK_RX_DATA10: length 41.4
  TOP w0.203: U3.121 33.9,52.37 29.33,56.94 29.33,58.32 29.13,58.53 28.81,58.53 28.61,58.73 28.61,59.14 28.81,59.34 29.13,59.34 29.33,59.54 29.33,59.95 29.13,60.15 28.81,60.15 28.61,60.36 28.61,60.76 28.81,60.96 29.13,60.96 29.33,61.17 29.33,61.57 29.13,61.78 28.81,61.78 28.61,61.98 28.61,62.39 28.81,62.59 29.13,62.59 29.33,62.79 29.33,63.2 29.13,63.4 28.81,63.4 28.61,63.61 28.61,64.01 28.81,64.22 29.13,64.22 29.33,64.42 29.33,64.83 29.13,65.03 28.81,65.03 28.61,65.23 28.61,65.64 28.81,65.84 29.13,65.84 29.33,66.04 29.33,66.45 29.13,66.65 28.81,66.65 28.61,66.86 28.61,67.26 28.81,67.47 29.13,67.47 29.33,67.67 29.33,68.08 29.13,68.28 28.81,68.28 28.61,68.48 28.61,68.89 28.81,69.09 29.13,69.09 29.33,69.3 29.33,69.7 29.13,69.91 28.81,69.91 28.61,70.11 28.61,70.52 28.81,70.72 29.13,70.72 29.33,70.92 29.33,71.28 v1(29.84,71.79)
  BOTTOM w0.203: v1(29.84,71.79) 31.2,70.43 J1.75
CHIPLINK_RX_DATA11: length 40.7
  TOP w0.203: U3.120 34.3,53.01 30.74,56.56 30.34,56.56 30.13,56.77 30.13,57.17 30.34,57.37 30.63,57.37 30.83,57.58 30.83,57.98 30.63,58.19 30.34,58.19 30.13,58.39 30.13,58.8 30.34,59 30.63,59 30.83,59.2 30.83,59.61 30.63,59.81 30.34,59.81 30.13,60.02 30.13,60.42 30.34,60.63 30.63,60.63 30.83,60.83 30.83,61.24 30.63,61.44 30.34,61.44 30.13,61.64 30.13,62.05 30.34,62.25 30.63,62.25 30.83,62.45 30.83,62.86 30.63,63.06 30.34,63.06 30.13,63.27 30.13,63.67 30.34,63.88 30.63,63.88 30.83,64.08 30.83,64.49 30.63,64.69 30.34,64.69 30.13,64.89 30.13,65.3 30.34,65.5 30.63,65.5 30.83,65.71 30.83,66.11 30.63,66.32 30.34,66.32 30.13,66.52 30.13,66.93 30.34,67.13 30.63,67.13 30.83,67.33 30.83,67.74 30.63,67.94 30.34,67.94 30.13,68.14 30.13,68.55 30.34,68.75 30.63,68.75 30.83,68.96 30.83,70.12 30.63,70.32 30.59,70.32 30.39,70.52 30.39,70.93 30.59,71.13 30.63,71.13 30.83,71.34 v1(30.83,71.81)
  BOTTOM w0.203: v1(30.83,71.81) 31.8,70.84 J1.77
CHIPLINK_RX_DATA12: length 40.5
  TOP w0.203: v1(31.79,71.88) 31.79,69.49 32.26,69.02 32.26,68.69 32.06,68.49 31.67,68.49 31.46,68.28 31.46,67.88 31.67,67.68 32.06,67.68 32.26,67.47 32.26,67.07 32.06,66.86 31.67,66.86 31.46,66.66 31.46,66.25 31.67,66.05 32.06,66.05 32.26,65.85 32.26,65.44 32.06,65.24 31.67,65.24 31.46,65.03 31.46,64.63 31.67,64.42 32.06,64.42 32.26,64.22 32.26,63.81 32.06,63.61 31.67,63.61 31.46,63.41 31.46,63 31.67,62.8 32.06,62.8 32.26,62.6 32.26,62.19 32.06,61.99 31.67,61.99 31.46,61.78 31.46,61.38 31.67,61.17 32.06,61.17 32.26,60.97 32.26,60.56 32.06,60.36 31.67,60.36 31.46,60.16 31.46,59.75 31.67,59.55 32.06,59.55 32.26,59.34 32.26,58.94 32.06,58.73 31.67,58.73 31.46,58.53 31.46,58.12 31.67,57.92 32.06,57.92 32.26,57.72 32.26,55.95 34.7,53.51 U3.119
  BOTTOM w0.203: J1.79 32.4,71.27 v1(31.79,71.88)
CHIPLINK_RX_DATA13: length 40.7
  TOP w0.203: v1(32.91,71.85) 32.91,70.29 33.12,70.09 33.47,70.09 33.67,69.89 33.67,69.48 33.47,69.28 33.12,69.28 32.91,69.07 32.91,68.67 33.12,68.46 33.47,68.46 33.67,68.26 33.67,67.85 33.47,67.65 33.12,67.65 32.91,67.45 32.91,67.04 33.12,66.84 33.47,66.84 33.67,66.63 33.67,66.23 33.47,66.02 33.12,66.02 32.91,65.82 32.91,65.41 33.12,65.21 33.47,65.21 33.67,65.01 33.67,64.6 33.47,64.4 33.12,64.4 32.91,64.2 32.91,63.79 33.12,63.59 33.47,63.59 33.67,63.38 33.67,62.98 33.47,62.77 33.12,62.77 32.91,62.57 32.91,62.16 33.12,61.96 33.47,61.96 33.67,61.76 33.67,61.35 33.47,61.15 33.12,61.15 32.91,60.94 32.91,60.54 33.12,60.33 33.47,60.33 33.67,60.13 33.67,59.73 33.47,59.52 33.12,59.52 32.91,59.32 32.91,58.91 33.12,58.71 33.47,58.71 33.67,58.51 33.67,58.1 33.47,57.9 33.12,57.9 32.91,57.69 32.91,56.2 35.1,54.01 U3.118
  BOTTOM w0.203: J1.83 33.6,71.17 v1(32.91,71.85)
CHIPLINK_RX_DATA14: length 41.1
  TOP w0.203: U3.117 35.5,54.27 34.2,55.57 34.2,56.17 34.4,56.38 34.9,56.38 35.11,56.58 35.11,56.99 34.9,57.19 34.4,57.19 34.2,57.39 34.2,57.8 34.4,58 34.9,58 35.11,58.21 35.11,58.61 34.9,58.81 34.4,58.81 34.2,59.02 34.2,59.42 34.4,59.63 34.9,59.63 35.11,59.83 35.11,60.24 34.9,60.44 34.4,60.44 34.2,60.64 34.2,61.05 34.4,61.25 34.9,61.25 35.11,61.46 35.11,61.86 34.9,62.07 34.4,62.07 34.2,62.27 34.2,62.68 34.4,62.88 34.9,62.88 35.11,63.08 35.11,63.49 34.9,63.69 34.4,63.69 34.2,63.89 34.2,66.97 34.4,67.17 34.68,67.17 34.89,67.37 34.89,67.78 34.68,67.98 34.4,67.98 34.2,68.19 34.2,68.59 34.4,68.8 34.68,68.8 34.89,69 34.89,69.4 34.68,69.61 34.4,69.61 34.2,69.81 34.2,70.22 34.4,70.42 34.68,70.42 34.89,70.62 34.89,71.03 34.68,71.23 34.4,71.23 34.2,71.44 v1(34.2,71.87)
  BOTTOM w0.203: J1.85 v1(34.2,71.87)
CHIPLINK_RX_DATA15: length 41
  TOP w0.203: U3.116 35.9,58.19 36.1,58.39 36.36,58.39 36.56,58.59 36.56,59 36.36,59.2 35.91,59.2 35.71,59.41 35.71,59.81 35.91,60.01 36.36,60.01 36.56,60.22 36.56,60.62 36.36,60.83 35.91,60.83 35.71,61.03 35.71,61.44 35.91,61.64 36.36,61.64 36.56,61.84 36.56,62.25 36.36,62.45 35.91,62.45 35.71,62.66 35.71,63.06 35.91,63.27 36.36,63.27 36.56,63.47 36.56,63.88 36.36,64.08 35.91,64.08 35.71,64.28 35.71,64.69 35.91,64.89 36.36,64.89 36.56,65.09 36.56,65.5 36.36,65.7 35.91,65.7 35.71,65.91 35.71,66.31 35.91,66.52 36.36,66.52 36.56,66.72 36.56,67.13 36.36,67.33 35.91,67.33 35.71,67.53 35.71,67.94 35.91,68.14 36.36,68.14 36.56,68.35 36.56,68.75 36.36,68.96 35.91,68.96 35.71,69.16 35.71,69.57 35.91,69.77 36.36,69.77 36.56,69.97 36.56,70.38 36.36,70.58 35.91,70.58 35.4,71.09 v1(35.4,71.88)
  BOTTOM w0.203: J1.89 v1(35.4,71.88)
CHIPLINK_RX_DATA16: length 41.3
  TOP w0.203: U3.115 36.3,52.15 38.25,54.1 38.25,54.43 38.05,54.63 37.53,54.63 37.32,54.84 37.32,55.24 37.53,55.45 38.05,55.45 38.25,55.65 38.25,56.06 38.05,56.26 37.53,56.26 37.32,56.46 37.32,56.87 37.53,57.07 38.05,57.07 38.25,57.28 38.25,57.68 38.05,57.89 37.53,57.89 37.32,58.09 37.32,58.5 37.53,58.7 38.05,58.7 38.25,58.9 38.25,59.31 38.05,59.51 37.53,59.51 37.32,59.71 37.32,60.12 37.53,60.32 38.05,60.32 38.29,60.57 38.29,63.28 38.05,63.52 37.53,63.52 37.32,63.72 37.32,64.13 37.53,64.33 38.05,64.33 38.25,64.54 38.25,64.94 38.05,65.15 37.53,65.15 37.32,65.35 37.32,65.76 37.53,65.96 38.05,65.96 38.25,66.16 38.25,69.61 v1(36,71.86)
  BOTTOM w0.203: J1.91 v1(36,71.86)
CHIPLINK_RX_DATA17: length 41.5
  TOP w0.203: U3.111 v1(37.9,46.1)
  ART03 w0.203: v1(37.9,46.1) 37.9,46.98 42.03,51.12 42.03,53.77 41.25,54.56 33.25,54.56 31.82,55.99 31.82,56.32 31.61,56.52 31.26,56.52 31.05,56.73 31.05,57.13 31.26,57.34 31.61,57.34 31.82,57.54 31.82,57.95 31.61,58.15 31.26,58.15 31.05,58.35 31.05,58.76 31.26,58.96 31.61,58.96 31.82,59.17 31.82,59.57 31.61,59.78 31.26,59.78 31.05,59.98 31.05,60.39 31.26,60.59 31.61,60.59 31.82,60.79 31.82,62.26 32.02,62.46 32.4,62.46 32.61,62.66 32.61,63.03 32.81,63.23 33.22,63.23 33.42,63.03 33.42,62.66 33.62,62.46 34.03,62.46 34.23,62.66 34.23,63.03 34.44,63.23 34.84,63.23 35.04,63.03 35.04,62.66 35.25,62.46 v1(37.2,62.46)
  BOTTOM w0.203: J1.95 v1(37.2,62.46)
